# Altium PCB SAM_E54_Xplained_Pro.PcbDoc (part 3 of 5) (continued)
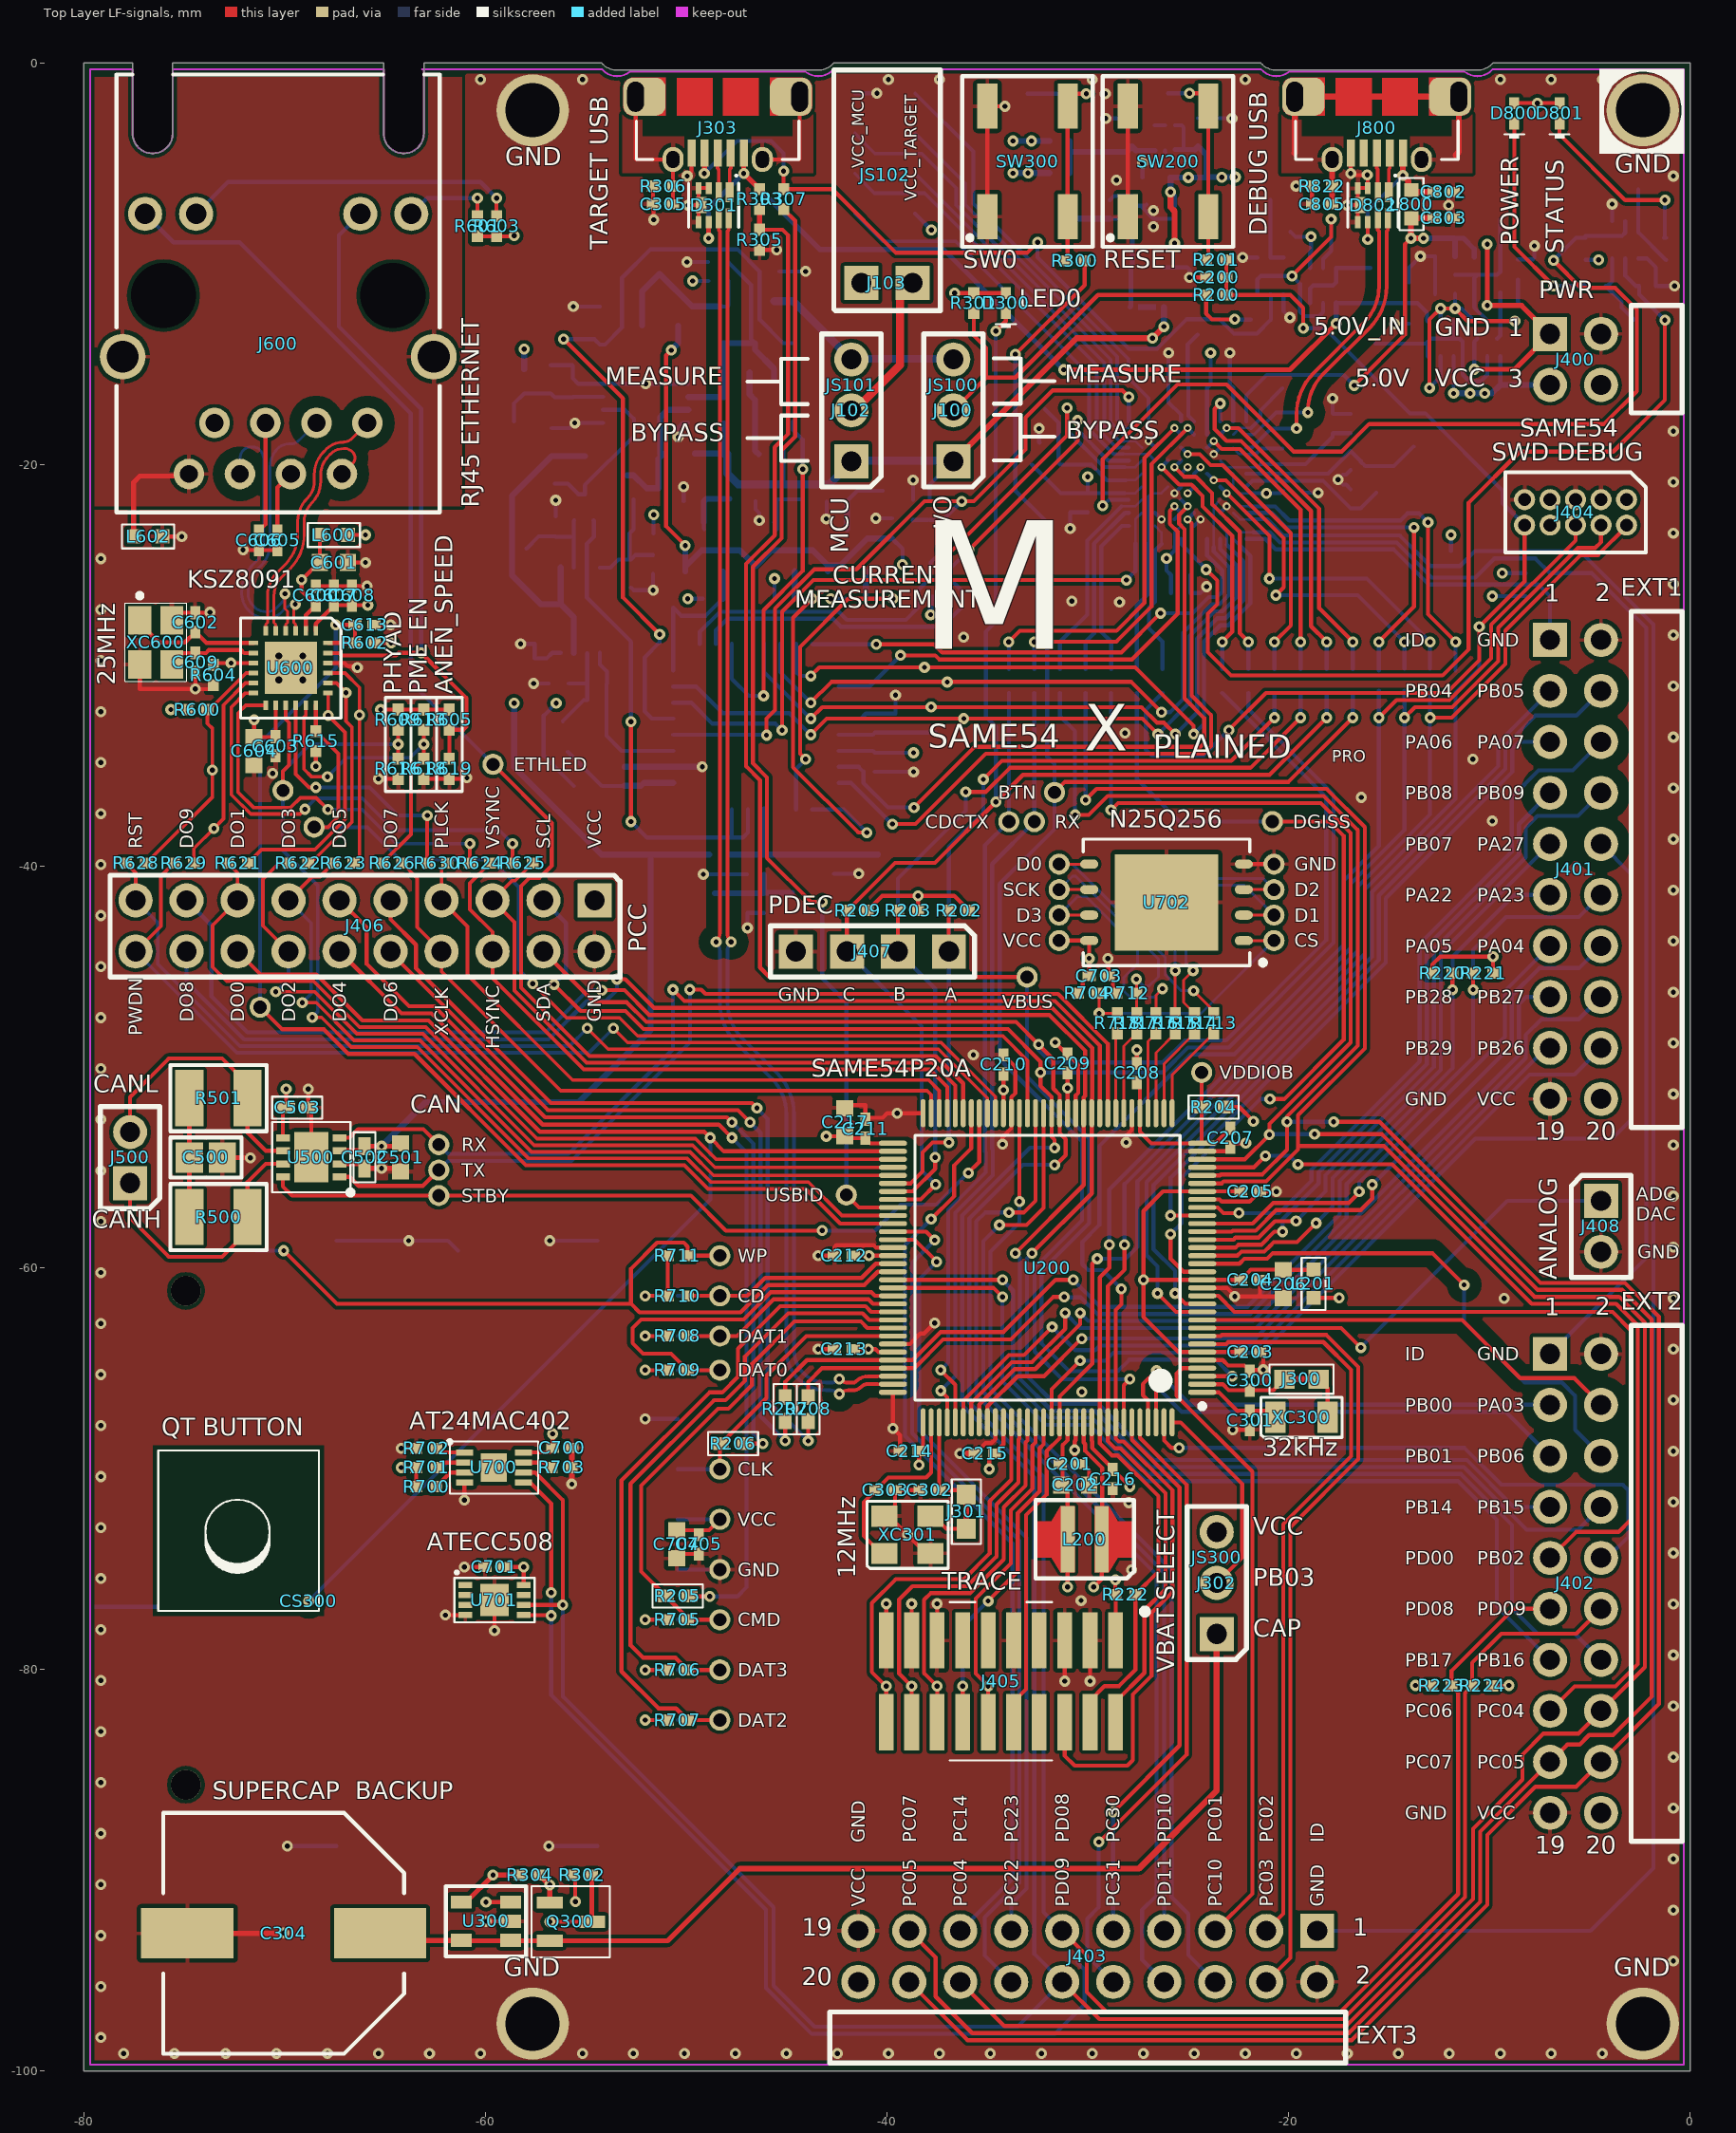
[diagram p0: Top Layer LF-signals view]
## Nets (pads, with @x,y where several pads share a name; then routed paths per layer and width w, separated by ;. In a path a pad name is that pad's centre, name@x,y a point inside that pad or via, vN(x,y) a via of type N, cw(c..) or ccw(c..) an arc to the next point about the centre after c; other vN are vias at no path point) (continued)
NetJ406_9: J406.9 R208.2 | length 42.4
  Top Layer LF-signals w0.2: J406.9@-64.73,-41.705 -64.73,-42.644 -63.46,-43.914 -63.46,-45.08 -56.74,-51.8 -46.725,-51.8 v1(-46.475,-52.05) ; v1(-43.925,-68.625) R208.2@-43.925,-67.64
  Bottom Layer LF-signals w0.2: v1(-46.475,-52.05) -45.95,-52.575 -45.95,-66.6 v1(-43.925,-68.625)
NetJ406_10: J406.10 R207.2 | length 39
  Top Layer LF-signals w0.2: J406.10@-64.73,-44.245 -64.73,-44.305 -56.885,-52.15 -47.425,-52.15 v1(-46.825,-52.75) ; v1(-45.075,-68.61) R207.2@-45.075,-67.64
  Bottom Layer LF-signals w0.2: v1(-46.825,-52.75) -46.3,-53.275 -46.3,-67.385 v1(-45.075,-68.61)
NetJ406_11: J406.11 R206.2 | length 42.7
  Top Layer LF-signals w0.2: J406.11@-67.27,-41.705 -65.918,-43.057 -65.918,-44.865 -63.803,-46.98 -62.55,-46.98 -57.03,-52.5 -47.975,-52.5 v1(-47.725,-52.75) ; R206.2@-47.067,-68.756 v1(-46.175,-68.756)
  Bottom Layer LF-signals w0.2: v1(-47.725,-52.75) -46.65,-53.825 -46.65,-68.281 v1(-46.175,-68.756)
NetJ406_12: J406.12 R205.2 | length 49.1
  Top Layer LF-signals w0.2: J406.12@-67.27,-44.245 -64.185,-47.33 -62.695,-47.33 -57.15,-52.875 -48.375,-52.875 v1(-47.725,-53.525) ; R205.2@-49.825,-76.35 -49.8,-76.375 v1(-48.825,-76.375)
  Bottom Layer LF-signals w0.2: v1(-48.825,-76.375) -47.459,-76.375 -47,-75.916 -47,-54.25 v1(-47.725,-53.525)
NetJ600_9: J600.9@-63.696,-7.511 R601.1 | length 4.6
  Top Layer LF-signals w0.2: R601.1@-60.4,-7.625 v1(-60.4,-6.725)
  Bottom Layer LF-signals w0.2: J600.9@-63.695,-7.62 J600.9@-63.641,-7.566 ; J600.9@-63.696,-7.511 -62.91,-6.725 v1(-60.4,-6.725)
NetJ600_11: J600.11@-74.414,-7.511 R603.1 | length 16.9
  Top Layer LF-signals w0.2: R603.1@-59.45,-7.625 v1(-59.45,-6.725)
  Bottom Layer LF-signals w0.2: J600.11@-74.415,-7.62 J600.11@-74.36,-7.565 ; J600.11@-74.414,-7.511 -72.828,-5.925 -60.25,-5.925 v1(-59.45,-6.725)
NetQ100_1: Q100.1 Q100.3 Q100.8 Q101.4 Q102.2 Q102.5 R102.2 | length 16.3
  Top Layer LF-signals w0.2: v3(-12.975,-16.175) -12.975,-12.775 v1(-12.425,-12.225) v1(-11.7,-12.225) -11.075,-12.85 v1(-8.725,-12.85)
  Bottom Layer LF-signals w0.2: v3(-12.975,-16.175) -12.425,-15.625 Q102.5@-12.425,-14.6 ; Q102.2@-12.425,-12.85 v1(-12.425,-12.225) v1(-11.7,-12.225) ; R102.2@-11.7,-11.5 v1(-11.7,-12.225) ; Q100.1@-10.746,-12.85 -11.371,-12.225 v1(-11.7,-12.225) ; Q100.8@-9.606,-13.725 -9.446,-13.565 Q100.3@-9.446,-12.85 ; Q101.4@-9.446,-11.425 Q100.3@-9.446,-12.85 ; v1(-8.725,-12.85) Q100.3@-9.446,-12.85
NetQ100_2: pad.3@-9.446,-7.779 Q100.2 Q101.3 Q101.6 Q101.7 Q101.8 R104.1 | length 7.6
  Bottom Layer LF-signals w0.2: R104.1@-11.7,-10.55 Q101.7@-10.586,-10.55 ; Q100.2@-10.096,-12.85 -10.096,-12.821 -10.75,-12.168 -10.75,-11.429 Q101.6@-10.746,-11.425 -10.746,-10.71 Q101.7@-10.586,-10.55 ; pad.3@-9.446,-7.779 Q101.3@-9.446,-9.675 -9.446,-10.39 Q101.8@-9.606,-10.55 Q101.7@-10.586,-10.55
NetQ100_5: pad.3@-15.675,-13.975 Q100.5 Q102.3 Q102.6 Q102.7 Q102.8 R105.2 | length 10
  Bottom Layer LF-signals w0.2: pad.3@-15.675,-13.975 R105.2@-14,-13.975 -13.165,-13.975 -13.075,-13.885 Q102.6@-13.075,-14.6 ; Q102.7@-12.915,-13.725 Q102.8@-11.935,-13.725 ; Q102.3@-11.775,-12.85 -11.775,-13.565 Q102.8@-11.935,-13.725 ; Q100.5@-10.096,-14.6 -10.096,-15.521 -10.425,-15.85 -10.997,-15.85 -11.325,-15.521 -11.325,-13.872 -11.475,-13.722 -11.478,-13.725 Q102.8@-11.935,-13.725
NetQ103_2: Q103.2 Q103.5 Q104.6 R108.1 | length 12.5
  Top Layer LF-signals w0.2: v1(-19.825,-10.6) -17.875,-8.65 v3(-17.875,-7.775)
  Bottom Layer LF-signals w0.2: Q104.6@-21.544,-11.529 -21.544,-10.769 -21.375,-10.6 v1(-19.825,-10.6) -19.425,-11 -19.425,-12.375 -19.2,-12.6 -18.475,-12.6 -18.275,-12.4 Q103.2@-18.275,-11.95 ; Q103.5@-18.275,-10.2 -18.275,-9.75 R108.1@-17.875,-9.35 v3(-17.875,-7.775)
NetQ103_3: pad.3@-15.925,-10.2 Q103.3 Q103.6 Q103.7 Q103.8 | length 4.6
  Bottom Layer LF-signals w0.2: Q103.3@-18.925,-11.95 -18.925,-11.235 Q103.8@-18.765,-11.075 -17.785,-11.075 -17.625,-10.915 Q103.6@-17.625,-10.2 pad.3@-15.925,-10.2
NetQ104_2: pad.3@-20.9,-6.826 Q104.2 Q104.3 R109.1 | length 3.5
  Bottom Layer LF-signals w0.2: pad.3@-20.9,-6.826 R109.1@-20.9,-8.401 -20.9,-9.673 Q104.2@-20.894,-9.679 Q104.3@-20.244,-9.679
NetQ300_1: Q300.1 R304.2 | length 1.6
  Top Layer LF-signals w0.25: R304.2@-57.3,-90.25 v3(-56.8,-90.75) Q300.1@-56.8,-91.625
NetQ300_3: Q300.3 R302.2 | length 4.4
  Top Layer LF-signals w0.2: v3(-56.8,-92.575) Q300.3@-54.7,-92.575
  Top Layer LF-signals w0.25: Q300.3@-54.7,-92.575 R302.2@-54.7,-90.25
NetQ800_3: pad.3@-2.575,-6.3 Q800.3 R806.1 | length 4.1
  Bottom Layer LF-signals w0.2: pad.3@-2.575,-6.3 Q800.3@-2.575,-7.875 -2.575,-8.425 -1.25,-9.75 R806.1@-1.2,-9.8
NetQ800_6: pad.3@-2.8,-12.775 Q800.6 R805.1 | length 3.7
  Bottom Layer LF-signals w0.2: R805.1@-4.2,-11.1 -3.4,-11.9 -3.4,-12.175 pad.3@-2.8,-12.775 ; R805.1@-4.1,-11.1 -3.875,-10.875 Q800.6@-3.875,-9.725
NetQ900_2: pad.3@-48.125,-15.425 Q900.2 Q902.2 Q1200.3 R900.2 R1202.2 U1201.2 | length 12.6
  Bottom Layer LF-signals w0.2: R900.2@-47.912,-9.908 -46.775,-11.045 -46.775,-13.75 Q900.2@-46.575,-13.95
  Bottom Layer LF-signals w0.3: U1201.2@-49.9,-16.625 R1202.2@-48.125,-16.625 pad.3@-48.125,-15.425 Q902.2@-48.125,-14.2 ; Q902.2@-48.225,-13.95 Q900.2@-46.575,-13.95 -46.575,-14.275 -45.625,-15.225 Q1200.3@-45.625,-15.75
NetQ901_3: pad.3@-51.336,-10.5 Q901.3 Q902.1 R902.1 | length 8.3
  Bottom Layer LF-signals w0.2: Q902.1@-48.3,-12.125 -47.95,-12.125 -47.9,-12.075 R902.1@-47.9,-10.85
  Bottom Layer LF-signals w0.3: Q901.3@-52.2,-13.075 -52.2,-11.364 pad.3@-51.336,-10.5 -49.711,-12.125 Q902.1@-48.3,-12.125
NetQ902_3: Q902.3 Q1000.2 Q1001.2 Q1002.2 R1006.2 | length 26.8
  Top Layer LF-signals w0.2: v1(-50.75,-14.3) -51,-14.55 -51,-23.075 v1(-50.05,-24.025)
  Bottom Layer LF-signals w0.2: R1006.2@-39.75,-23.675 -39.225,-24.2 v3(-39.225,-24.975)
  Bottom Layer LF-signals w0.3: v1(-50.75,-14.3) -50.4,-13.95 Q902.3@-50.4,-13.075 ; Q1002.2@-50.05,-25.3 Q1002.2@-50.05,-25.1 ; v1(-50.05,-24.025) Q1002.2@-50.05,-25.1 ; Q1000.2@-42.95,-25.3 Q1000.2@-42.95,-25.025 ; R1006.2@-39.75,-23.675 -40.975,-23.675 -42.325,-25.025 Q1000.2@-42.95,-25.025 ; Q1002.2@-50.05,-25.1 -49.225,-24.275 -47.325,-24.275 -46.537,-25.062 -45.75,-24.275 -43.7,-24.275 Q1000.2@-42.95,-25.025
NetQ1000_3: pad.3@-40.209,-21.3 Q1000.3 R1003.2 | length 3.4
  Bottom Layer LF-signals w0.2: R1003.2@-42,-21.85 R1003.2@-42,-21.825 -41.475,-21.3 pad.3@-40.209,-21.3
  Bottom Layer LF-signals w0.3: Q1000.3@-42,-23.2 R1003.2@-42,-21.85
NetQ1001_3: pad.3@-44.275,-21.725 Q1001.3 R1004.2 | length 3
  Bottom Layer LF-signals w0.2: Q1001.3@-45.625,-22.875 -45.55,-22.95 Q1001.3@-45.55,-23.2 ; R1004.2@-45.55,-21.825 -45.45,-21.725 pad.3@-44.275,-21.725
  Bottom Layer LF-signals w0.3: Q1001.3@-45.55,-23.2 R1004.2@-45.55,-21.825
NetQ1002_3: pad.3@-47.85,-21.7 Q1002.3 R1005.2 | length 2.7
  Bottom Layer LF-signals w0.2: Q1002.3@-49.125,-22.875 -49.125,-23.175 Q1002.3@-49.1,-23.2
  Bottom Layer LF-signals w0.3: Q1002.3@-49.125,-22.875 R1005.2@-49.125,-21.825 -49,-21.7 pad.3@-47.85,-21.7
NetQ1200_2: pad.3@-46.83,-15.42 Q1200.2 R1200.2 | length 4.3
  Bottom Layer LF-signals w0.3: pad.3@-46.85,-15.4 -46.85,-15.42 -46.85,-16.5 -46.575,-16.775 Q1200.2@-46.575,-17.85 -46.575,-19.3 -46.475,-19.4 R1200.2@-46.4,-19.475
NetQ1201_1: pad.3@-56.548,-20.95 Q1201.1 U1201.6 | length 8.2
  Bottom Layer LF-signals w0.2: pad.3@-56.548,-20.95 -55.9,-20.95 -55.375,-21.475 Q1201.1@-55.05,-21.475 -55.05,-21.025 -52.6,-18.575 -52.6,-17.725 -53.05,-17.275 U1201.6@-54.15,-17.275
NetQ1201_2: pad.3@-58.675,-21.575 Q1201.2 R1207.2 U1200.3 U1200.5 | length 15.9
  Bottom Layer LF-signals w0.3: R1207.2@-56.7,-19.575 -58.675,-21.55 pad.3@-58.675,-21.575 -58.675,-25.525 -57.25,-26.95 -56.25,-26.95 ; R1207.2@-56.675,-19.575 Q1201.2@-55.05,-19.575 ; U1200.5@-56.25,-25.125 -56.25,-26.95 ; U1200.3@-55.6,-29.375 -55.6,-27.6 -56.25,-26.95
NetQ1201_3: pad.3@-51.375,-21.175 Q1201.3 R1204.1 U1201.3 | length 7
  Bottom Layer LF-signals w0.3: Q1201.3@-52.95,-20.525 -52.625,-20.525 -51.975,-21.175 pad.3@-51.375,-21.175 -51.375,-19.7 R1204.1@-51.15,-19.475 ; R1204.1@-51.3,-19.475 -51.3,-17.65 -50.925,-17.275 U1201.3@-49.9,-17.275
NetR201_1: R201.1 SW200.3 SW200.4 TP200.1 | length 10.2
  Top Layer LF-signals w0.2: v4(-24.925,-1.5) -24.3,-1.5 -24,-1.8 SW200.4@-24,-2.15 SW200.3@-24,-7.65 -24,-9.7 R201.1@-24.1,-9.8
  Bottom Layer LF-signals w0.2: TP200.1@-26,-1.5 v4(-24.925,-1.5)
NetR300_1: R300.1 SW300.3 SW300.4 TP300.1 | length 12.1
  Top Layer LF-signals w0.2: R300.1@-31.15,-9.85 -31,-9.7 SW300.3@-31,-7.65 SW300.4@-31,-2.15 -31,-1.725 -30.8,-1.525 v4(-30.075,-1.525)
  Bottom Layer LF-signals w0.2: TP300.1@-33,-1.525 v4(-30.075,-1.525)
NetR304_1: R304.1 U300.4 | length 3.5
  Top Layer LF-signals w0.25: U300.4@-61.2,-91.597 -60.972,-91.597 v3(-59.625,-90.25) R304.1@-58.3,-90.25
NetR604_2: R604.2 U600.9 | length 2
  Top Layer LF-signals w0.2: R604.2@-73.557,-29.98 -73.457,-29.88 v3(-72.675,-29.88) U600.9@-71.56,-29.88
PA00_XIN32: C301.1 U200.1 XC300.1 | length 4.2
  Top Layer LF-signals w0.2: U200.1@-24.3,-66.2 -23.475,-66.2 -22.55,-67.125 C301.1@-21.925,-67.125 -20.975,-67.125 XC300.1@-20.65,-67.45
PA01_XOUT32: C300.1 J300.2 U200.2 | length 4.5
  Top Layer LF-signals w0.2: U200.2@-24.3,-65.8 -23.275,-65.8 -22.975,-66.1 C300.1@-21.927,-66.1 -20.75,-66.1 J300.2@-20.2,-65.55
PA02_ADC0_AIN0_DAC0: J408.1 U200.9 | length 23.3
  Top Layer LF-signals w0.2: U200.9@-24.3,-63 -17.375,-63 v1(-16.4,-63.975)
  Bottom Layer LF-signals w0.2: v1(-16.4,-63.975) -9.095,-56.67 J408.1@-4.43,-56.67
PA03_ADC0_AIN1: J402.4@-4.43,-66.83 U200.10 | length 21.6
  Top Layer LF-signals w0.2: U200.10@-24.3,-62.6 -11.35,-62.6 -8.45,-65.5 -5.76,-65.5 J402.4@-4.43,-66.83
PA04_S0P0_UART_TX: J401.14@-4.43,-43.97 U200.21 | length 27.6
  Top Layer LF-signals w0.2: U200.21@-24.3,-58.2 -22.83,-58.2 -22.78,-58.15 -21.64,-58.15 -20.615,-57.125 -16.4,-57.125 -15.825,-56.55 v1(-15.825,-55.864)
  Bottom Layer LF-signals w0.2: v1(-15.825,-55.864) -8.875,-48.914 -8.875,-46.445 -7.505,-45.075 -5.535,-45.075 J401.14@-4.43,-43.97
PA05_S0P1_UART_RX: J401.13@-6.97,-43.97 U200.22 | length 24.6
  Top Layer LF-signals w0.2: U200.22@-24.3,-57.8 -21.785,-57.8 -20.76,-56.775 -16.998,-56.775 v1@-16.476,-56.253
  Bottom Layer LF-signals w0.2: v1(-16.476,-56.203) -16.476,-55.751 -9.225,-48.5 -9.225,-46.225 J401.13@-6.97,-43.97
PA06_GPIO_S0P2_RTS: J401.5@-6.97,-33.81 U200.23 | length 33.9
  Top Layer LF-signals w0.2: v1(-25.875,-57.4) U200.23@-24.3,-57.4
  Bottom Layer LF-signals w0.2: v1(-25.875,-57.4) -25.875,-55.525 -15.15,-44.8 -15.15,-41.599 -8.85,-35.299 -8.85,-34.14 -8.52,-33.81 J401.5@-6.97,-33.81
PA07_GPIO_S0P3_CTS: J401.6@-4.43,-33.81 U200.24 | length 35
  Top Layer LF-signals w0.2: U200.24@-24.3,-57 -23.517,-57 -23.242,-57.275 v1(-22.475,-57.275)
  Bottom Layer LF-signals w0.2: v1(-22.475,-57.275) -20.471,-57.275 -18.85,-55.654 -18.85,-55.1 -13.458,-49.708 -13.458,-43.858 -8.875,-39.275 -8.875,-36.56 -7.54,-35.225 -5.845,-35.225 J401.6@-4.43,-33.81
PA08_QSPI_DATA0: R713.2 U200.33 | length 4.8
  Top Layer LF-signals w0.14: U200.33@-25.8,-52.3 -25.8,-50.405 R713.2@-23.72,-48.325
PA09_QSPI_DATA1: R714.2 U200.34 | length 4.6
  Top Layer LF-signals w0.14: U200.34@-26.2,-52.3 -26.2,-49.845 R714.2@-24.68,-48.325
PA10_QSPI_DATA2: R715.2 U200.35 | length 4.4
  Top Layer LF-signals w0.14: U200.35@-26.6,-52.3 -26.6,-49.285 R715.2@-25.64,-48.325
PA11_QSPI_DATA3: R716.2 U200.36 | length 4.1
  Top Layer LF-signals w0.14: U200.36@-27,-52.3 -27,-48.725 R716.2@-26.6,-48.325
PA12_ETH_GRX1: J406.5 R625.2 U200.60 | length 33
  Top Layer LF-signals w0.18: R625.2@-57.65,-39.85 -58.525,-40.725 -58.67,-40.725 J406.5@-59.65,-41.705 -58.56,-42.795 -58.56,-46.195 -54.965,-49.79 -37.735,-49.79 -36.6,-50.925 U200.60@-36.6,-52.3
PA13_ETH_GRX0: J406.6 R624.2 U200.61 | length 33
  Top Layer LF-signals w0.18: R624.2@-59.65,-39.975 R624.2@-59.775,-39.85 -60.773,-40.848 -60.773,-42.152 -59.65,-43.275 J406.6@-59.65,-44.245 -59.65,-45.572 -55.102,-50.12 -37.872,-50.12 -37,-50.992 U200.61@-37,-52.3
PA14_ETH_GTXCK: J406.7 R630.2 U200.62 | length 33.2
  Top Layer LF-signals w0.18: R630.2@-61.9,-39.85 -62.19,-40.14 J406.7@-62.19,-41.705 -60.9,-42.995 -60.9,-45.409 -55.659,-50.65 -37.925,-50.65 -37.4,-51.175 U200.62@-37.4,-52.3
PA15_ETH_GRXER: J406.8 R626.2 U200.63 | length 34.1
  Top Layer LF-signals w0.18: R626.2@-64.15,-39.85 -63.4,-40.6 -63.4,-43.035 J406.8@-62.19,-44.245 -62.19,-45.239 -56.253,-51.176 -38.003,-51.176 -37.8,-51.379 U200.63@-37.8,-52.3
PA16_PCC_D00_PTCXY10: J406.16 R308.2 U200.66 | length 37.6
  Top Layer LF-signals w0.2: J406.16@-72.35,-44.245 -71.21,-45.385 -68.43,-45.385 -66.135,-47.68 -62.84,-47.68 -57.295,-53.225 -49.1,-53.225 v1(-48.8,-53.525) -48.125,-54.2 U200.66@-39.7,-54.2
  Bottom Layer LF-signals w0.2: R308.2@-48.8,-54.375 v1(-48.8,-53.525)
PA17_ETH_GTXEN: J406.15 R621.2 U200.67 | length 43.7
  Top Layer LF-signals w0.18: R621.2@-72.825,-39.85 -72.35,-40.325 J406.15@-72.35,-41.705 -73.589,-42.944 -73.589,-45.025 -72.889,-45.725 -68.571,-45.725 -66.276,-48.02 -62.981,-48.02 -57.436,-53.565 -49.541,-53.565 -48.506,-54.6 U200.67@-39.7,-54.6
PA18_ETH_GTX0: J406.14 R622.2 U200.68 | length 42.5
  Top Layer LF-signals w0.18: v1@-70.55,-46.185 v1@-70.45,-46.185 ; v1(-70.45,-46.25) -68.513,-46.25 -66.412,-48.35 -63.118,-48.35 -57.573,-53.895 -49.678,-53.895 -48.573,-55 U200.68@-39.7,-55 ; J406.14@-69.81,-44.245 -71.09,-42.965 -71.09,-40.65 -70.29,-39.85 R622.2@-69.825,-39.85 R622.2@-69.81,-39.865
  Bottom Layer LF-signals w0.18: v1(-70.45,-46.25) -69.81,-45.61 J406.14@-69.81,-44.245
PA19_ETH_GTX1: J406.13 R623.2 U200.69 | length 41.7
  Top Layer LF-signals w0.18: J406.13@-69.81,-41.705 -68.625,-40.52 -68.245,-40.52 R623.2@-67.575,-39.85 ; v1(-69.127,-46.8) -68.429,-46.8 -66.549,-48.68 -63.254,-48.68 -57.709,-54.225 -49.814,-54.225 -48.639,-55.4 U200.69@-39.7,-55.4
  Bottom Layer LF-signals w0.18: J406.13@-69.81,-41.705 -68.69,-42.825 -68.69,-46.363 v1(-69.127,-46.8)
PA20_SDHC_CMD: J700.2 pad.0@-48.325,-77.53 R205.1 R705.1 U200.88 | length 28
  Top Layer LF-signals w0.2: pad.0@-48.325,-77.53 R705.1@-49.925,-77.53 -49.925,-77.45 R205.1@-51.025,-76.35 -52.25,-75.125 -52.25,-70.854 -48.411,-67.015 -47.902,-67.015 -46.725,-65.838 -46.725,-64.791 -44.609,-62.675 -41.305,-62.675 -40.98,-63 U200.88@-39.7,-63
  Bottom Layer LF-signals w0.2: J700.2@-50.425,-77.53 pad.0@-48.325,-77.53
PA21_SDHC_CK: J700.5 pad.0@-48.325,-70.03 R206.1 U200.89 | length 14.8
  Top Layer LF-signals w0.2: pad.0@-48.325,-70.03 -48.325,-68.815 R206.1@-48.267,-68.756 -46,-66.49 -46,-65.378 -44.022,-63.4 U200.89@-39.7,-63.4
  Bottom Layer LF-signals w0.2: J700.5@-50.425,-70.03 pad.0@-48.325,-70.03
PA22_S3P0_I2C_SDA: J401.11@-6.97,-41.43 R207.1 R220.1 U200.92 | length 55.1
  Top Layer LF-signals w0.2: R207.1@-45.075,-66.44 -45.075,-65.69 -43.985,-64.6 U200.92@-39.7,-64.6 -38.731,-64.6 -37.331,-63.2 -34.2,-63.2 -31.6,-60.6 v1(-30.725,-60.6) ; v1@-11.831,-46.15 R220.1@-11.831,-45.325
  Bottom Layer LF-signals w0.2: v1(-30.725,-60.6) -29.379,-61.946 -29.379,-61.95 -22.05,-61.95 -17.45,-57.35 -17.45,-55.68 -11.825,-50.055 -11.825,-44.505 -8.75,-41.43 J401.11@-6.97,-41.43
  other v1: -11.825,-46.15
PA23_S3P1_I2C_SCL: J401.12@-4.43,-41.43 R208.1 R221.1 U200.93 | length 55.9
  Top Layer LF-signals w0.2: R208.1@-43.925,-66.44 -43.925,-65.69 -43.235,-65 U200.93@-39.7,-65 -38.636,-65 -37.211,-63.575 -33.835,-63.575 -31.71,-61.45 v1(-31.175,-61.45) ; v1@-10.806,-46.144 R221.1@-10.806,-45.325
  Bottom Layer LF-signals w0.2: v1(-31.175,-61.45) -31.15,-61.475 -30.349,-61.475 -29.524,-62.3 -21.905,-62.3 -17.1,-57.495 -17.1,-55.825 -10.8,-49.525 v1(-10.8,-46.15) -10.8,-44.169 -9.161,-42.53 -5.53,-42.53 J401.12@-4.43,-41.43
PA27_GPIO_SPI_SS_B: J401.10@-4.43,-38.89 U200.113 | length 50.4
  Top Layer LF-signals w0.2: U200.113@-31.8,-67.7 -31.8,-66.052 v1(-30.376,-64.628)
  Bottom Layer LF-signals w0.2: v1(-30.376,-64.628) -29.127,-64.628 -28.727,-64.228 -21.353,-64.228 -10.7,-53.575 -3.875,-53.575 -2.95,-52.65 -2.95,-40.37 J401.10@-4.43,-38.89
PA30_SWCLK: J404.4 J405.4 R222.1 R803.1 U200.119 | length 76.1
  Top Layer LF-signals w0.2: J405.4@-29.88,-82.635 -29.88,-81.555 -29.159,-80.834 -28.434,-80.834 -27.625,-80.025 R222.1@-27.625,-76.276 -26.475,-75.126 -26.475,-71.378 -28.503,-69.35 -28.8,-69.35 -29.4,-68.75 U200.119@-29.4,-67.7 -29.4,-60.48 -28.925,-60.005 v1(-28.925,-58.85) ; v1(-14.225,-32.6) -13.7,-32.075 -11.84,-32.075 -9.551,-29.785 -9.551,-28.121 -5.58,-24.15 -4.724,-24.15 -4.43,-23.856 J404.4@-4.43,-23.01
  Bottom Layer LF-signals w0.2: v1(-28.925,-58.85) -28.925,-56.1 -16.9,-44.075 -16.9,-40.874 -14.225,-38.198 v1(-14.225,-32.6) R803.1@-14.225,-31.35 R803.1@-14.225,-31.25
PA31_SWDIO: J404.2 J405.2 R824.1 U200.120 | length 75
  Top Layer LF-signals w0.2: J405.2@-28.61,-82.635 -28.61,-81.61 -27.175,-80.175 -27.175,-77.055 -26.125,-76.005 -26.125,-71.233 -28.358,-69 -28.63,-69 -29,-68.63 U200.120@-29,-67.7 -29,-60.925 -28.163,-60.088 v1(-28.163,-58.85) ; v1(-12.95,-32.6) -11.87,-32.6 -9.201,-29.93 -9.201,-28.266 -5.435,-24.5 -4.579,-24.5 J404.2@-3.16,-23.081
  Bottom Layer LF-signals w0.2: v1(-28.163,-58.85) -28.163,-55.832 -16.55,-44.22 -16.55,-41.019 -12.95,-37.419 v1(-12.95,-32.6) R824.1@-12.95,-31.35
PB00_ADC0_AIN12: J402.3@-6.97,-66.83 U200.125 | length 23.3
  Top Layer LF-signals w0.2: U200.125@-27,-67.7 -27,-66.6 -27.25,-66.35 -27.25,-65.8 v1(-26.575,-65.125)
  Bottom Layer LF-signals w0.2: v1(-26.575,-65.125) -24.875,-66.825 -6.975,-66.825 J402.3@-6.97,-66.83
PB01_GPIO: J402.5@-6.97,-69.37 U200.126 | length 22.9
  Top Layer LF-signals w0.2: U200.126@-26.6,-67.7 -26.6,-65.925 v1(-26.575,-65.9)
  Bottom Layer LF-signals w0.2: v1(-26.575,-65.9) -26.575,-65.915 -25.315,-67.175 -9.165,-67.175 J402.5@-6.97,-69.37
PB02_GPIO_SPI_SS_B: J402.10@-4.43,-74.45 U200.127 | length 29.2
  Top Layer LF-signals w0.2: U200.127@-26.2,-67.7 -26.2,-68.6 -25.825,-68.975 v1(-25.45,-68.975)
  Bottom Layer LF-signals w0.2: v1(-25.45,-68.975) -11.225,-68.975 -9.4,-70.8 -3.35,-70.8 -3.075,-71.075 -3.075,-73.4 -4.125,-74.45 J402.10@-4.43,-74.45
PB03_SUPER_CAP: J302.2@-23.575,-75.7 U200.128 | length 10.2
  Top Layer LF-signals w0.2: U200.128@-25.8,-67.7 -25.375,-67.7 -22.3,-70.775 -22.3,-74.425 J302.2@-23.575,-75.7
PB04_ADC1_AIN6: J401.3@-6.97,-31.27 U200.11 | length 41.2
  Top Layer LF-signals w0.2: v1(-26.525,-61.275) -25.6,-62.2 U200.11@-24.3,-62.2
  Bottom Layer LF-signals w0.2: v1(-26.525,-61.275) -26.525,-59.925 -27.075,-59.375 -27.075,-55.735 -15.85,-44.51 -15.85,-41.309 -9.55,-35.009 -9.55,-33.85 J401.3@-6.97,-31.27
PB05_ADC1_AIN7: J401.4@-4.43,-31.27 U200.12 | length 42.5
  Top Layer LF-signals w0.2: v1(-25.65,-61.275) -25.125,-61.8 U200.12@-24.3,-61.8
  Bottom Layer LF-signals w0.2: v1(-25.65,-61.275) -25.65,-60.15 -26.725,-59.075 -26.725,-55.88 -15.5,-44.655 -15.5,-41.454 -9.2,-35.154 -9.2,-33.995 -7.705,-32.5 -5.66,-32.5 J401.4@-4.43,-31.27
PB06_GPIO: J402.6@-4.43,-69.37 U200.17 | length 26.3
  Top Layer LF-signals w0.2: U200.17@-24.3,-59.8 -22.45,-59.8 -22.2,-59.55 -21.06,-59.55 -20.785,-59.275 -12.831,-59.275 v1(-11.25,-60.855)
  Bottom Layer LF-signals w0.2: v1(-11.25,-60.855) -11.25,-62.7 -8.245,-65.705 -6.395,-65.705 -5.725,-66.375 -5.725,-68.075 J402.6@-4.43,-69.37
PB07_GPIO_EXTINT7: J401.9@-6.97,-38.89 U200.18 | length 30.1
  Top Layer LF-signals w0.2: U200.18@-24.3,-59.4 -22.545,-59.4 -22.345,-59.2 -21.205,-59.2 -20.93,-58.925 -20.925,-58.925 -20.728,-58.728 -19.578,-58.728 v1(-18.625,-57.775)
  Bottom Layer LF-signals w0.2: v1(-18.625,-57.775) -17.8,-56.95 -17.8,-55.535 -12.408,-50.143 -12.408,-44.328 J401.9@-6.97,-38.89
PB08_TC4_WO0: J401.7@-6.97,-36.35 U200.19 | length 31.7
  Top Layer LF-signals w0.2: U200.19@-24.3,-59 -22.64,-59 -22.49,-58.85 -21.35,-58.85 -20.703,-58.203 v1(-20.301,-58.203)
  Bottom Layer LF-signals w0.2: v1(-20.301,-58.203) -20.301,-57.6 -18.5,-55.799 -18.5,-55.245 -13.108,-49.853 -13.108,-44.003 -8.525,-39.42 -8.525,-37.905 J401.7@-6.97,-36.35
PB09_TC4_WO1: J401.8@-4.43,-36.35 U200.20 | length 33.8
  Top Layer LF-signals w0.2: U200.20@-24.3,-58.6 -22.735,-58.6 -22.635,-58.5 -21.495,-58.5 -20.673,-57.678 v1@-19.672,-57.678
  Bottom Layer LF-signals w0.2: v1(-19.625,-57.675) -18.15,-56.2 -18.15,-55.39 -12.758,-49.998 -12.758,-44.148 -8.175,-39.565 -8.175,-38.075 -7.6,-37.5 -5.58,-37.5 J401.8@-4.43,-36.35
PB10_QSPI_SCK: R717.2 U200.39 | length 4.2
  Top Layer LF-signals w0.14: U200.39@-28.2,-52.3 -28.2,-48.965 R717.2@-27.56,-48.325
PB11_QSPI_CS: R718.2 U200.40 | length 4
  Top Layer LF-signals w0.14: U200.40@-28.6,-52.3 -28.6,-48.405 R718.2@-28.52,-48.325
PB12_CAN1_TX: pad.0@-62.325,-55.135 U200.41 U500.1 | length 48.6
  Top Layer LF-signals w0.2: U500.1@-67.263,-55.475 -66.775,-55.475 -66.325,-55.925 -63.115,-55.925 pad.0@-62.325,-55.135 ; v1(-49.816,-46.145) -49.255,-46.145 -49.04,-46.36 -31.48,-46.36 -29,-48.84 U200.41@-29,-52.3
  Bottom Layer LF-signals w0.2: pad.0@-62.325,-55.135 -61.865,-54.675 -55.725,-54.675 -49.816,-48.766 v1(-49.816,-46.145)
PB13_CAN1_RX: pad.0@-62.325,-53.865 U200.42 U500.4 | length 48.2
  Top Layer LF-signals w0.2: U500.4@-67.263,-53.525 -66.775,-53.525 -66.35,-53.1 -63.09,-53.1 pad.0@-62.325,-53.865 ; v1(-50.659,-46.145) -50.094,-46.71 -31.625,-46.71 -29.4,-48.935 U200.42@-29.4,-52.3
  Bottom Layer LF-signals w0.2: pad.0@-62.325,-53.865 -61.865,-54.325 -55.87,-54.325 -50.659,-49.114 v1(-50.659,-46.145)
PB14_TCC4_WO0: J402.7@-6.97,-71.91 J406.18 U200.43 | length 97.2
  Top Layer LF-signals w0.2: v1(-53.453,-45.627) -53.038,-45.627 -51.605,-47.06 -31.77,-47.06 -29.775,-49.055 -29.775,-51.582 -29.8,-51.607 U200.43@-29.8,-52.3 -29.8,-56.3 v1(-32.775,-59.275)
  Bottom Layer LF-signals w0.2: J406.18@-74.89,-44.245 -74.89,-45.755 -72.02,-48.625 -56.851,-48.625 -54.951,-46.725 -54.013,-46.725 -53.453,-46.164 v1(-53.453,-45.627) ; v1(-32.775,-59.275) -33.025,-59.525 -33.025,-65.39 -31.64,-66.775 -29.49,-66.775 -26.69,-69.575 -11.12,-69.575 -8.785,-71.91 J402.7@-6.97,-71.91
PB15_TCC4_WO1: J402.8@-4.43,-71.91 J406.17 U200.44 | length 102.1
  Top Layer LF-signals w0.2: v1(-54.206,-46.176) -53.074,-46.176 -51.84,-47.41 -31.915,-47.41 -30.125,-49.2 -30.125,-51.437 -30.2,-51.512 U200.44@-30.2,-52.3 -30.2,-55.875 v1(-33.6,-59.275)
  Bottom Layer LF-signals w0.2: J406.17@-74.89,-41.705 -73.65,-42.945 -73.65,-46.479 -71.854,-48.275 -56.998,-48.275 -54.898,-46.176 v1(-54.206,-46.176) ; v1(-33.6,-59.275) -33.375,-59.5 -33.375,-65.535 -31.785,-67.125 -29.635,-67.125 -26.835,-69.925 -11.265,-69.925 -8.14,-73.05 -5.57,-73.05 J402.8@-4.43,-71.91
PB16_S5P0_UART_TX: J402.14@-4.43,-79.53 U200.82 | length 48.2
  Top Layer LF-signals w0.2: U200.82@-39.7,-60.6 v1(-34.25,-60.6)
  Bottom Layer LF-signals w0.2: v1(-34.25,-60.6) -33.725,-61.125 -33.725,-65.68 -31.93,-67.475 -29.78,-67.475 -26.98,-70.275 -11.41,-70.275 -8.865,-72.82 -8.865,-76.96 -7.6,-78.225 -5.735,-78.225 J402.14@-4.43,-79.53
PB17_S5P1_UART_RX: J402.13@-6.97,-79.53 U200.83 | length 45.4
  Top Layer LF-signals w0.2: U200.83@-39.7,-61 -34.7,-61 v1(-34.25,-61.45)
  Bottom Layer LF-signals w0.2: v1(-34.25,-61.45) -34.25,-65.65 -32.075,-67.825 -29.925,-67.825 -27.125,-70.625 -11.555,-70.625 -9.625,-72.555 -9.625,-76.875 J402.13@-6.97,-79.53
PB18_SDHC_DATA0: J700.7 pad.0@-48.325,-65.1 R709.1 U200.84 | length 21.5
  Top Layer LF-signals w0.2: pad.0@-48.325,-65.1 R709.1@-49.925,-65.1 -50.75,-64.275 -52.15,-64.275 -52.675,-63.75 -52.675,-63 -52.25,-62.575 -47.145,-62.575 -45.79,-61.22 -40.78,-61.22 -40.6,-61.4 U200.84@-39.7,-61.4
  Bottom Layer LF-signals w0.2: J700.7@-50.425,-65.1 pad.0@-48.325,-65.1
PB19_SDHC_DATA1: J700.8 pad.0@-48.325,-63.4 R708.1 U200.85 | length 13.2
  Top Layer LF-signals w0.2: R708.1@-49.925,-63.4 pad.0@-48.325,-63.4 -47.475,-63.4 -45.645,-61.57 -40.925,-61.57 -40.695,-61.8 U200.85@-39.7,-61.8
  Bottom Layer LF-signals w0.2: J700.8@-50.425,-63.4 pad.0@-48.325,-63.4
PB20_SDHC_DATA2: J700.9 pad.0@-48.325,-82.53 R707.1 U200.86 | length 35.6
  Top Layer LF-signals w0.2: pad.0@-48.325,-82.53 R707.1@-49.925,-82.53 -50.505,-81.95 -51.378,-81.95 -53.225,-80.103 -53.225,-70.586 -48.847,-66.209 -48.21,-66.209 -47.425,-65.424 -47.425,-64.028 -45.317,-61.92 -41.07,-61.92 -40.79,-62.2 U200.86@-39.7,-62.2
  Bottom Layer LF-signals w0.2: J700.9@-50.425,-82.53 pad.0@-48.325,-82.53
PB21_SDHC_DATA3: J700.1 pad.0@-48.325,-80.03 R706.1 U200.87 | length 32.5
  Top Layer LF-signals w0.2: pad.0@-48.325,-80.03 R706.1@-49.925,-80.03 -50.536,-79.419 -52.156,-79.419 -52.775,-78.8 -52.775,-70.763 -48.612,-66.6 -48.044,-66.6 -47.075,-65.631 -47.075,-64.423 -44.921,-62.27 -41.215,-62.27 -40.885,-62.6 U200.87@-39.7,-62.6
  Bottom Layer LF-signals w0.2: J700.1@-50.425,-80.03 pad.0@-48.325,-80.03
PB22_XIN1: C303.1 U200.98 XC301.1 | length 9.5
  Top Layer LF-signals w0.2: XC301.1@-40.125,-74.225 -40.275,-74.225 -41.15,-73.35 -41.15,-71.675 C303.1@-40.55,-71.075 -39.925,-70.45 -38.05,-70.45 -37.8,-70.2 U200.98@-37.8,-67.7
PB23_XOUT1: C302.1 J301.2 U200.99 | length 4.8
  Top Layer LF-signals w0.2: U200.99@-37.4,-67.7 C302.1@-37.4,-71.075 -36.275,-71.075 J301.2@-36.05,-71.3
PB24_S2P1_UART_RX: pad.0@-32.66,-37.78 R809.1 U200.100 | length 38.4
  Top Layer LF-signals w0.2: v1(-37.325,-66.125) -37,-66.45 U200.100@-37,-67.7
  Bottom Layer LF-signals w0.2: v1(-37.325,-66.125) -36.6,-65.4 -36.6,-57.255 -34.732,-55.387 -34.732,-54.101 -34.766,-54.067 -34.766,-39.891 -32.655,-37.78 R809.1@-32.655,-31.375
PB25_S2P0_UART_TX: pad.0@-33.93,-37.78 R808.2 U200.101 | length 38.1
  Top Layer LF-signals w0.2: v1(-37.325,-65.1) -36.6,-65.825 U200.101@-36.6,-67.7
  Bottom Layer LF-signals w0.2: v1(-37.325,-65.1) -36.95,-64.725 -36.95,-57.11 -35.082,-55.242 -35.082,-54.246 -35.116,-54.212 -35.116,-38.966 pad.0@-33.93,-37.78 R808.2@-33.93,-31.375
PB26_S4P1_SPI_SCK: J401.18@-4.43,-49.05 U200.102 | length 41.1
  Top Layer LF-signals w0.2: U200.102@-36.2,-67.7 -36.2,-66.625 -33.925,-64.35 -33.175,-64.35 v1(-31.775,-62.95)
  Bottom Layer LF-signals w0.2: v1(-31.775,-62.95) -30.622,-64.103 -29.628,-64.103 -29.403,-63.878 -21.498,-63.878 -7.995,-50.375 -5.755,-50.375 J401.18@-4.43,-49.05
PB27_S4P0_SPI_MOSI: J401.16@-4.43,-46.51 U200.103 | length 42.5
  Top Layer LF-signals w0.2: U200.103@-35.8,-67.7 -35.8,-66.72 -33.78,-64.7 -32.783,-64.7 -31.125,-63.042 v1(-31.125,-62.25)
  Bottom Layer LF-signals w0.2: v1(-31.125,-62.25) -30.375,-63 -21.615,-63 -8.175,-49.56 -8.175,-48.4 -7.4,-47.625 -5.545,-47.625 J401.16@-4.43,-46.51
PB28_S4P2_SPI_SS: J401.15@-6.97,-46.51 U200.104 | length 39.9
  Top Layer LF-signals w0.2: U200.104@-35.4,-67.7 -35.4,-66.815 -33.635,-65.05 -32.615,-65.05 -30.375,-62.81 v1(-30.375,-62.25)
  Bottom Layer LF-signals w0.2: v1(-30.375,-62.25) -29.975,-62.65 -21.76,-62.65 -8.525,-49.415 -8.525,-46.875 -8.16,-46.51 J401.15@-6.97,-46.51
PB29_S4P3_SPI_MISO: J401.17@-6.97,-49.05 U200.105 | length 36.2
  Top Layer LF-signals w0.2: U200.105@-35,-67.7 -35,-66.91 -33.49,-65.4 -32.173,-65.4 v1(-30.301,-63.528)
  Bottom Layer LF-signals w0.2: v1(-30.301,-63.528) -21.648,-63.528 -7.17,-49.05 J401.17@-6.97,-49.05